# KiCad board ControlsLeader_PCB.kicad_pcb
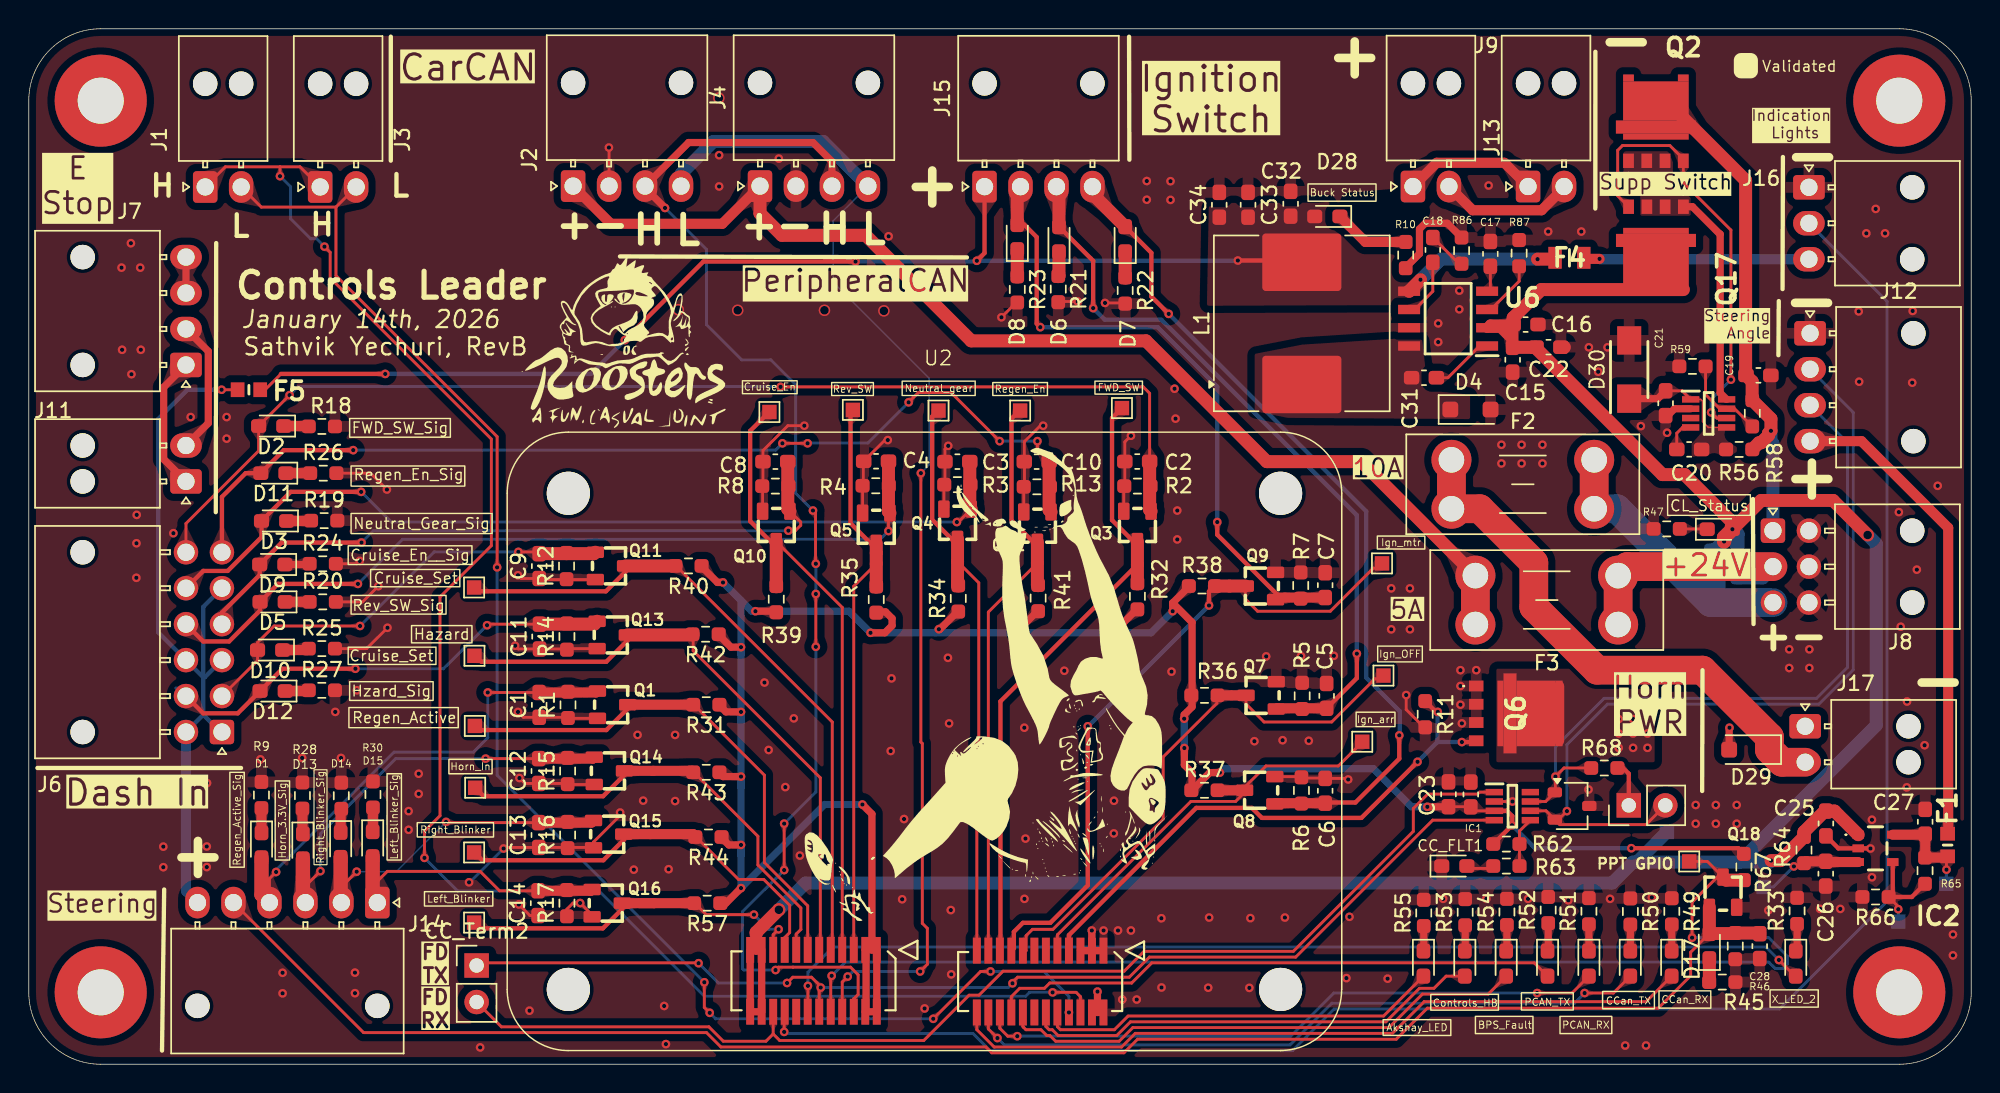
[diagram p0: board, top side]
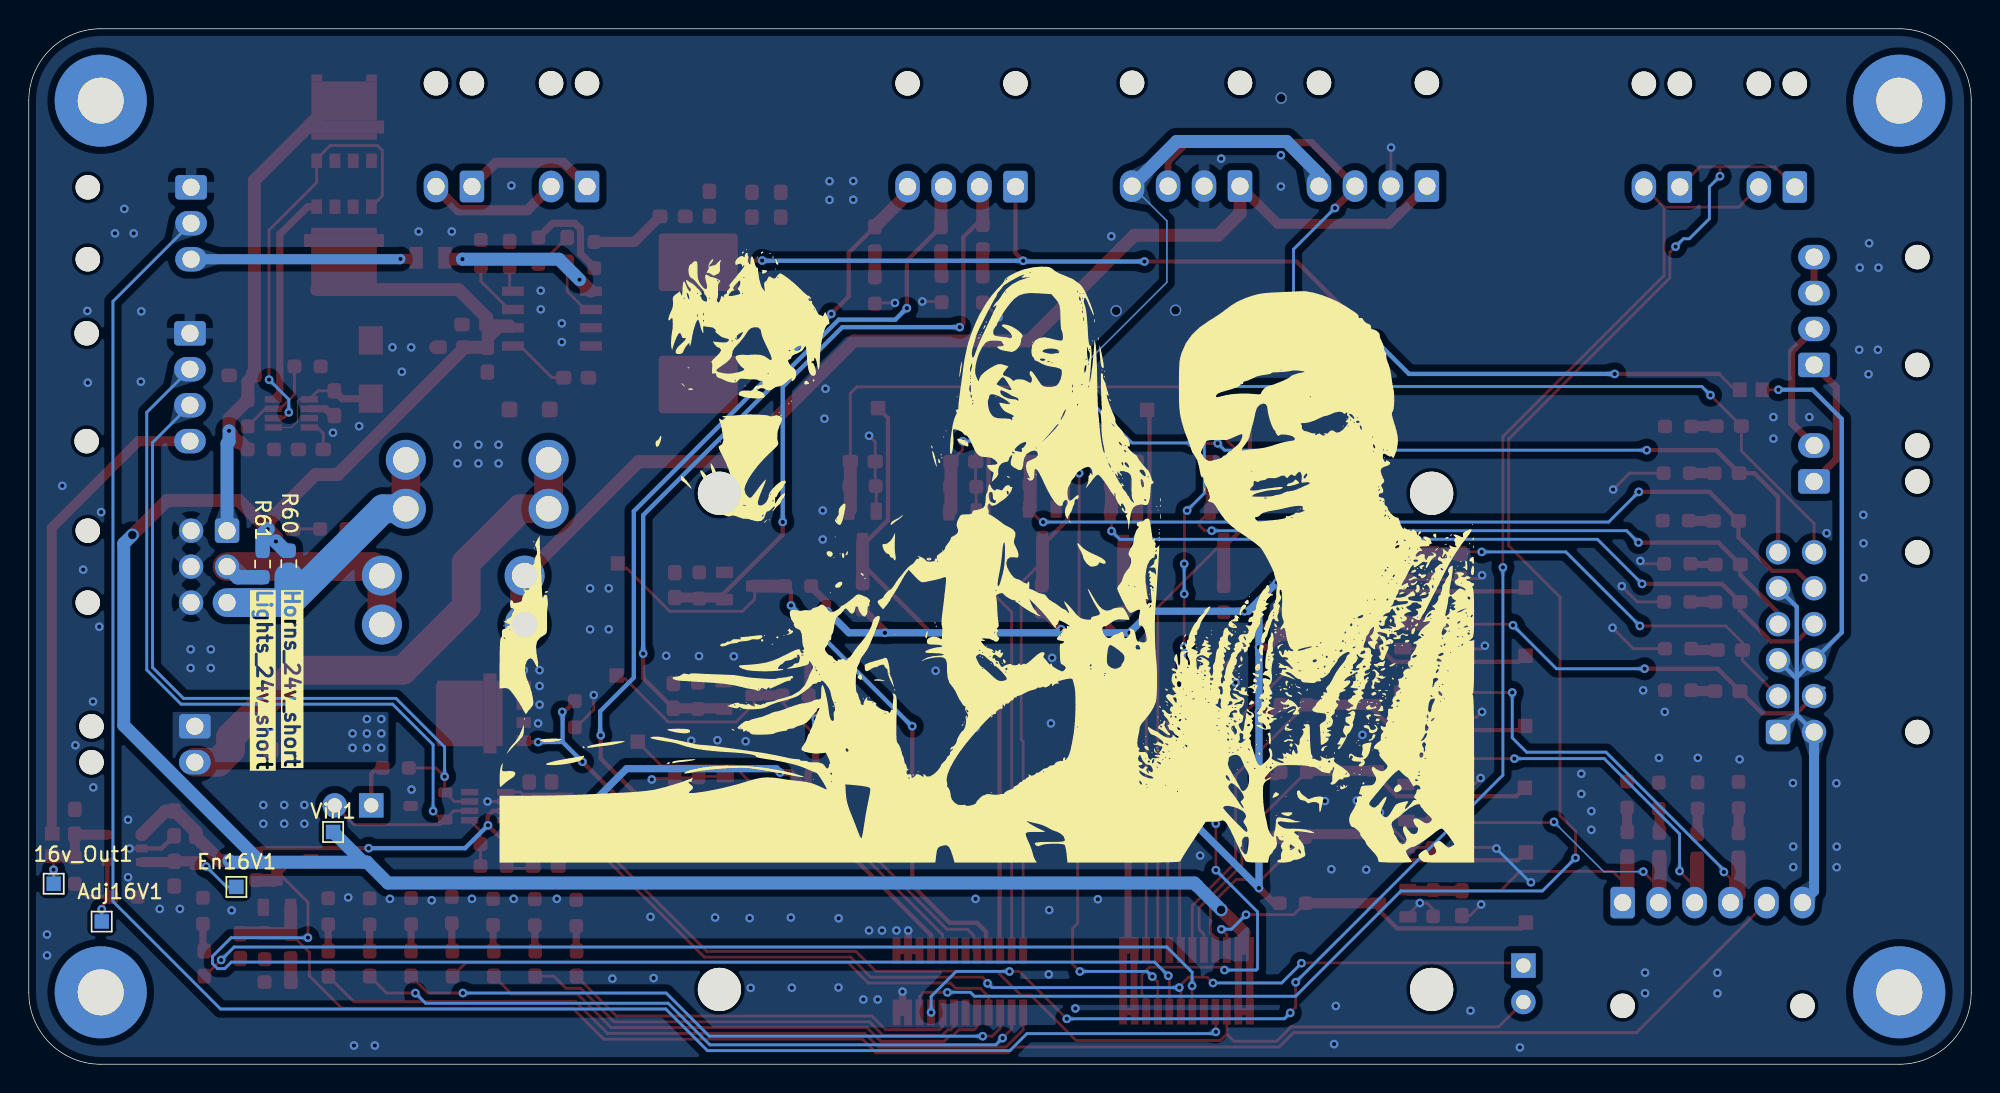
[diagram p1: board, bottom side, seen from below]

Outline 135 x 72 mm; copper layers: Top, Bottom. Coordinates in mm from the lower left corner of the outline.
Outline path: 0,67 0,5 arc(1.46,1.46) 5,0 130,0 arc(133.54,1.46) 135,5 135,67 arc(133.54,70.54) 130,72 5,72 arc(1.46,70.54) 0,67

## Placement (name value [footprint] x y rotation side)
16v_Out1  5V_Out  [TestPoint_Pad_1.0x1.0mm]  133.27 12.55 180 bottom
Adj16V1  Adj5V  [TestPoint_Pad_1.0x1.0mm]  129.93 9.92 180 bottom
C1  2.2uF  [C_0603_1608Metric_Pad1.08x0.95mm_HandSolder]  35.47 24.99 90 top
C2  2.2uF  [C_0603_1608Metric_Pad1.08x0.95mm_HandSolder]  77.04 41.91 0 top
C3  2.2uF  [C_0603_1608Metric_Pad1.08x0.95mm_HandSolder]  64.54 41.9 0 top
C4  2.2uF  [C_0603_1608Metric_Pad1.08x0.95mm_HandSolder]  58.89 41.92 0 top
C5  2.2uF  [C_0603_1608Metric_Pad1.08x0.95mm_HandSolder]  90.2 25.61 270 top
C6  2.2uF  [C_0603_1608Metric_Pad1.08x0.95mm_HandSolder]  90.1 19.01 270 top
C7  2.2uF  [C_0603_1608Metric_Pad1.08x0.95mm_HandSolder]  90.1 33.31 270 top
C8  2.2uF  [C_0603_1608Metric_Pad1.08x0.95mm_HandSolder]  51.89 41.9 0 top
C9  2.2uF  [C_0603_1608Metric_Pad1.08x0.95mm_HandSolder]  35.47 34.64 90 top
C10  2.2uF  [C_0603_1608Metric_Pad1.08x0.95mm_HandSolder]  70.05 41.9 0 top
C11  2.2uF  [C_0603_1608Metric_Pad1.08x0.95mm_HandSolder]  35.5 29.74 90 top
C12  2.2uF  [C_0603_1608Metric_Pad1.08x0.95mm_HandSolder]  35.45 20.39 90 top
C13  2.2uF  [C_0603_1608Metric_Pad1.08x0.95mm_HandSolder]  35.45 15.94 90 top
C14  2.2uF  [C_0603_1608Metric_Pad1.08x0.95mm_HandSolder]  35.4 11.2 90 top
C15  10uF  [C_0603_1608Metric_Pad1.08x0.95mm_HandSolder]  103.13 48.99 270 top
C16  1uF  [C_0603_1608Metric_Pad1.08x0.95mm_HandSolder]  104.03 51.44 0 top
C17  10nF  [C_0603_1608Metric_Pad1.08x0.95mm_HandSolder]  101.58 56.35 90 top
C18  3.3nF  [C_0603_1608Metric_Pad1.08x0.95mm_HandSolder]  97.58 56.62 90 top
C19  .1u  [C_0603_1608Metric_Pad1.08x0.95mm_HandSolder]  120.21 47.9 180 top
C20  220n  [C_0603_1608Metric_Pad1.08x0.95mm_HandSolder]  115.4 42.75 0 top
C21  1u  [C_0603_1608Metric_Pad1.08x0.95mm_HandSolder]  113.76 45.96 90 top
C22  10u  [C_0603_1608Metric_Pad1.08x0.95mm_HandSolder]  105.62 49.86 180 top
C23  0.1uF  [C_0603_1608Metric_Pad1.08x0.95mm_HandSolder]  100.22 18.76 90 top
C24  1uF  [C_0603_1608Metric_Pad1.08x0.95mm_HandSolder]  98.67 18.77 90 top
C25  1uF  [C_0603_1608Metric_Pad1.08x0.95mm_HandSolder]  124.9 16.74 90 top
C26  10uF  [C_0603_1608Metric_Pad1.08x0.95mm_HandSolder]  124.89 13.25 90 top
C27  2.2uF  [C_0603_1608Metric_Pad1.08x0.95mm_HandSolder]  131.8 16.86 90 top
C28  2.2uF  [C_0603_1608Metric_Pad1.08x0.95mm_HandSolder]  120.3 8.21 90 top
C31  0.1uF  [C_0603_1608Metric_Pad1.08x0.95mm_HandSolder]  96.97 47.74 180 top
C32  10uF  [C_0603_1608Metric_Pad1.08x0.95mm_HandSolder]  87.7 59.83 90 top
C33  10uF  [C_0603_1608Metric_Pad1.08x0.95mm_HandSolder]  84.74 59.76 90 top
C34  10uF  [C_0603_1608Metric_Pad1.08x0.95mm_HandSolder]  82.74 59.76 90 top
CC_FLT1  LED  [LED_0603_1608Metric_Pad1.05x0.95mm_HandSolder]  99.07 13.78 0 top
CC_Term1  Jumper_2_Open  [PinHeader_1x02_P2.54mm_Vertical]  111.2 18 90 top
CC_Term2  Jumper_2_Open  [PinHeader_1x02_P2.54mm_Vertical]  31.12 6.86 0 top
D1  GPIO_Status_Blue  [LED_0603_1608Metric_Pad1.05x0.95mm_HandSolder]  16.17 15.22 270 top
D2  GPIO_Status_Blue  [LED_0603_1608Metric_Pad1.05x0.95mm_HandSolder]  16.85 44.38 180 top
D3  GPIO_Status_Blue  [LED_0603_1608Metric_Pad1.05x0.95mm_HandSolder]  17.05 37.78 180 top
D4  MBR230S1F  [D_SOD-123F]  100.19 45.53 0 top
D5  GPIO_Status_Blue  [LED_0603_1608Metric_Pad1.05x0.95mm_HandSolder]  16.95 32.15 180 top
D6  GPIO_Status_Blue  [LED_0603_1608Metric_Pad1.05x0.95mm_HandSolder]  71.6 57.36 90 top
D7  GPIO_Status_Blue  [LED_0603_1608Metric_Pad1.05x0.95mm_HandSolder]  76.2 57.36 90 top
D8  GPIO_Status_Blue  [LED_0603_1608Metric_Pad1.05x0.95mm_HandSolder]  68.7 57.51 90 top
D9  GPIO_Status_Blue  [LED_0603_1608Metric_Pad1.05x0.95mm_HandSolder]  16.92 34.75 180 top
D10  GPIO_Status_Blue  [LED_0603_1608Metric_Pad1.05x0.95mm_HandSolder]  16.78 28.8 180 top
D11  GPIO_Status_Blue  [LED_0603_1608Metric_Pad1.05x0.95mm_HandSolder]  17 41.1 180 top
D12  GPIO_Status_Blue  [LED_0603_1608Metric_Pad1.05x0.95mm_HandSolder]  16.95 25.95 180 top
D13  GPIO_Status_Blue  [LED_0603_1608Metric_Pad1.05x0.95mm_HandSolder]  19.05 15.15 270 top
D14  GPIO_Status_Blue  [LED_0603_1608Metric_Pad1.05x0.95mm_HandSolder]  21.67 15.25 270 top
D15  GPIO_Status_Blue  [LED_0603_1608Metric_Pad1.05x0.95mm_HandSolder]  23.9 15.3 270 top
D16  Controls_Leader_Status_Red  [LED_0603_1608Metric_Pad1.05x0.95mm_HandSolder]  117.53 37.2 0 top
D17  GPIO_Status_Blue  [LED_0603_1608Metric_Pad1.05x0.95mm_HandSolder]  116.8 8.21 90 top
D18  0603_SMD  [LED_0603_1608Metric_Pad1.05x0.95mm_HandSolder]  122.81 7 270 top
D19  0603_SMD  [LED_0603_1608Metric_Pad1.05x0.95mm_HandSolder]  114.18 7 270 top
D20  0603_SMD  [LED_0603_1608Metric_Pad1.05x0.95mm_HandSolder]  111.31 7 270 top
D21  0603_SMD  [LED_0603_1608Metric_Pad1.05x0.95mm_HandSolder]  108.43 7 270 top
D22  0603_SMD  [LED_0603_1608Metric_Pad1.05x0.95mm_HandSolder]  105.56 7 270 top
D23  0603_SMD  [LED_0603_1608Metric_Pad1.05x0.95mm_HandSolder]  99.81 7 270 top
D24  0603_SMD  [LED_0603_1608Metric_Pad1.05x0.95mm_HandSolder]  102.68 7 270 top
D25  0603_SMD  [LED_0603_1608Metric_Pad1.05x0.95mm_HandSolder]  96.93 7 270 top
D28  Controls_Leader_Status_Red  [LED_0603_1608Metric_Pad1.05x0.95mm_HandSolder]  90.25 58.95 180 top
D29  VSSAF522-M3/H  [D_SOD-123F]  119.57 21.88 180 top
D30  SMAF4758A  [SODFL5026X125N]  111.23 48.31 90 top
En16V1  Enable5V  [TestPoint_Pad_1.0x1.0mm]  120.57 12.33 180 bottom
F1  0603L025YR  [FUSC1608X75N]  133.36 15.24 90 top
F2  Fuse  [Fuseholder_Blade_Mini_Keystone_3568]  98.88 42.03 0 top
F3  Fuse  [Fuseholder_Blade_Mini_Keystone_3568]  110.46 30.58 180 top
F4  0805L100WR  [FUSC2114X180N]  107.07 56.08 0 top
F5  0603L025YR  [FUSC1608X75N]  15.3 46.9 180 top
G***  LOGO  [shaq]  66.62 26.47 0 top
G***#2  LOGO  [roosters]  41.3 50.2 0 top
G***#3  LOGO  [goats]  68.41 39.42 0 top
G***#4  -  [LHRs_LOGO]  120.2 2.3 0 top
H1  M.3  [MountingHole_3.2mm_M3_Pad_TopBottom]  5 67 0 top
H2  M.3  [MountingHole_3.2mm_M3_Pad_TopBottom]  130 67 0 top
H3  M.3  [MountingHole_3.2mm_M3_Pad_TopBottom]  130 5 0 top
H4  M.3  [MountingHole_3.2mm_M3_Pad_TopBottom]  5 5 0 top
IC1  -  [TCAN337DCNR]  103.11 17.94 0 top
IC2  AP2205-W5-7  [AP2205W57]  128.34 15.01 90 top
J1  CarCANConnector_Out  [Molex_Nano-Fit_105313-xx02_1x02_P2.50mm_Horizontal]  12.26 61 90 top
J2  PeripheralCAN_out  [Molex_Nano-Fit_105313-xx04_1x04_P2.50mm_Horizontal]  37.83 61.06 90 top
J3  CarCANConnector_In  [Molex_Nano-Fit_105313-xx02_1x02_P2.50mm_Horizontal]  20.25 61 90 top
J4  PeripheralCAN_in  [Molex_Nano-Fit_105313-xx04_1x04_P2.50mm_Horizontal]  50.82 61.06 90 top
J6  Conn_2Rows-13Pins  [Molex_Nano-Fit_105314-xx12_2x06_P2.50mm_Horizontal]  13.42 23.1 180 top
J7  Conn_01x04  [Molex_Nano-Fit_105313-xx04_1x04_P2.50mm_Horizontal]  10.93 48.62 180 top
J8  Dash_Lsom_Horn_Lights_PWR  [Molex_Nano-Fit_105314-xx06_2x03_P2.50mm_Horizontal]  121.22 37.1 0 top
J9  Supp_In  [Molex_Nano-Fit_105313-xx02_1x02_P2.50mm_Horizontal]  96.2 61.03 90 top
J11  EStop1  [Molex_Nano-Fit_105313-xx02_1x02_P2.50mm_Horizontal]  10.93 40.52 180 top
J12  SteeringAngleConn_01x04  [Molex_Nano-Fit_105313-xx04_1x04_P2.50mm_Horizontal]  123.8 50.83 0 top
J13  Supp_Out  [Molex_Nano-Fit_105313-xx02_1x02_P2.50mm_Horizontal]  104.2 61.03 90 top
J14  SteeringConn_01x06  [Molex_Nano-Fit_105313-xx06_1x06_P2.50mm_Horizontal]  24.22 11.24 270 top
J15  IgnConn_01x04  [Molex_Nano-Fit_105313-xx04_1x04_P2.50mm_Horizontal]  66.43 61.02 90 top
J16  Conn_01x03  [Molex_Nano-Fit_105313-xx03_1x03_P2.50mm_Horizontal]  123.72 60.97 0 top
J17  Conn_01x02  [Molex_Nano-Fit_105313-xx02_1x02_P2.50mm_Horizontal]  123.46 23.5 0 top
L1  100uH  [L_Coilcraft_MSS1246-XXX]  88.47 51.52 90 top
Q1  NMOS  [SOT23]  39.53 25.95 270 top
Q2  NVMFWS1D7N04XMT1G  [NVMFWS3D0P04M8LT1G]  113.09 65.57 0 top
Q3  NMOS  [SOT23]  78 38.45 180 top
Q4  NMOS  [SOT23]  65.5 38.6 180 top
Q5  NMOS  [SOT23]  59.85 38.33 180 top
Q6  NVMFWS1D7N04XMT1G  [NVMFWS3D0P04M8LT1G]  103.35 24.39 270 top
Q7  NMOS  [SOT23]  86.7 24.7 90 top
Q8  NMOS  [SOT23]  86.6 18.1 90 top
Q9  NMOS  [SOT23]  86.65 32.3 90 top
Q10  NMOS  [SOT23]  52.9 38.45 180 top
Q11  NMOS  [SOT23]  39.38 35.6 270 top
Q12  NMOS  [SOT23]  71.05 38.4 180 top
Q13  NMOS  [SOT23]  39.5 30.8 270 top
Q14  NMOS  [SOT23]  39.3 21.35 270 top
Q15  NMOS  [SOT23]  39.25 16.95 270 top
Q16  NMOS  [SOT23]  39.15 12.15 270 top
Q17  NVMFWS1D7N04XMT1G  [NVMFWS3D0P04M8LT1G]  113.09 56.88 180 top
Q18  NMOS  [SOT23]  116.8 10.91 0 top
R1  10k  [R_0603_1608Metric_Pad0.98x0.95mm_HandSolder]  37.47 24.99 90 top
R2  10k  [R_0603_1608Metric_Pad0.98x0.95mm_HandSolder]  77.05 40.2 0 top
R3  10k  [R_0603_1608Metric_Pad0.98x0.95mm_HandSolder]  64.54 40.3 0 top
R4  10k  [R_0603_1608Metric_Pad0.98x0.95mm_HandSolder]  58.86 40.22 0 top
R5  10k  [R_0603_1608Metric_Pad0.98x0.95mm_HandSolder]  88.5 25.61 270 top
R6  10k  [R_0603_1608Metric_Pad0.98x0.95mm_HandSolder]  88.45 19.04 270 top
R7  10k  [R_0603_1608Metric_Pad0.98x0.95mm_HandSolder]  88.4 33.29 270 top
R8  10k  [R_0603_1608Metric_Pad0.98x0.95mm_HandSolder]  51.89 40.2 0 top
R9  150  [R_0603_1608Metric_Pad0.98x0.95mm_HandSolder]  16.17 18.72 90 top
R10  1.1k  [R_0603_1608Metric_Pad0.98x0.95mm_HandSolder]  95.69 56.26 270 top
R11  10k  [R_0603_1608Metric_Pad0.98x0.95mm_HandSolder]  97.05 24.34 270 top
R12  10k  [R_0603_1608Metric_Pad0.98x0.95mm_HandSolder]  37.38 34.64 90 top
R13  10k  [R_0603_1608Metric_Pad0.98x0.95mm_HandSolder]  70.06 40.15 0 top
R14  10k  [R_0603_1608Metric_Pad0.98x0.95mm_HandSolder]  37.4 29.74 90 top
R15  10k  [R_0603_1608Metric_Pad0.98x0.95mm_HandSolder]  37.45 20.39 90 top
R16  10k  [R_0603_1608Metric_Pad0.98x0.95mm_HandSolder]  37.45 15.94 90 top
R17  10k  [R_0603_1608Metric_Pad0.98x0.95mm_HandSolder]  37.4 11.2 90 top
R18  150  [R_0603_1608Metric_Pad0.98x0.95mm_HandSolder]  20.37 44.35 0 top
R19  150  [R_0603_1608Metric_Pad0.98x0.95mm_HandSolder]  20.53 37.8 0 top
R20  150  [R_0603_1608Metric_Pad0.98x0.95mm_HandSolder]  20.43 32.15 0 top
R21  150  [R_0603_1608Metric_Pad0.98x0.95mm_HandSolder]  71.55 53.9 270 top
R22  150  [R_0603_1608Metric_Pad0.98x0.95mm_HandSolder]  76.2 53.8 270 top
R23  150  [R_0603_1608Metric_Pad0.98x0.95mm_HandSolder]  68.7 53.88 270 top
R24  150  [R_0603_1608Metric_Pad0.98x0.95mm_HandSolder]  20.43 34.8 0 top
R25  150  [R_0603_1608Metric_Pad0.98x0.95mm_HandSolder]  20.37 28.9 0 top
R26  150  [R_0603_1608Metric_Pad0.98x0.95mm_HandSolder]  20.47 41.1 0 top
R27  150  [R_0603_1608Metric_Pad0.98x0.95mm_HandSolder]  20.37 26 0 top
R28  150  [R_0603_1608Metric_Pad0.98x0.95mm_HandSolder]  19.02 18.68 90 top
R29  150  [R_0603_1608Metric_Pad0.98x0.95mm_HandSolder]  21.72 18.67 90 top
R30  150  [R_0603_1608Metric_Pad0.98x0.95mm_HandSolder]  23.92 18.75 90 top
R31  100k  [R_0603_1608Metric_Pad0.98x0.95mm_HandSolder]  47.09 25 180 top
R32  100k  [R_0603_1608Metric_Pad0.98x0.95mm_HandSolder]  77.05 32.54 90 top
R33  120  [R_0603_1608Metric_Pad0.98x0.95mm_HandSolder]  122.9 10.66 90 top
R34  100k  [R_0603_1608Metric_Pad0.98x0.95mm_HandSolder]  64.6 32.39 90 top
R35  100k  [R_0603_1608Metric_Pad0.98x0.95mm_HandSolder]  58.9 32.31 90 top
R36  100k  [R_0603_1608Metric_Pad0.98x0.95mm_HandSolder]  81.71 25.65 0 top
R37  100k  [R_0603_1608Metric_Pad0.98x0.95mm_HandSolder]  81.71 19.05 0 top
R38  100k  [R_0603_1608Metric_Pad0.98x0.95mm_HandSolder]  81.54 33.25 0 top
R39  100k  [R_0603_1608Metric_Pad0.98x0.95mm_HandSolder]  51.95 32.34 90 top
R40  100k  [R_0603_1608Metric_Pad0.98x0.95mm_HandSolder]  45.85 34.65 180 top
R41  100k  [R_0603_1608Metric_Pad0.98x0.95mm_HandSolder]  70.15 32.41 90 top
R42  100k  [R_0603_1608Metric_Pad0.98x0.95mm_HandSolder]  47.04 29.9 180 top
R43  100k  [R_0603_1608Metric_Pad0.98x0.95mm_HandSolder]  47.09 20.3 180 top
R44  100k  [R_0603_1608Metric_Pad0.98x0.95mm_HandSolder]  47.24 15.8 180 top
R45  10k  [R_0603_1608Metric_Pad0.98x0.95mm_HandSolder]  118.6 8.21 90 top
R46  150  [R_0603_1608Metric_Pad0.98x0.95mm_HandSolder]  117.7 5.71 0 top
R47  1.1k  [R_0603_1608Metric_Pad0.98x0.95mm_HandSolder]  113.84 37.22 180 top
R49  120  [R_0603_1608Metric_Pad0.98x0.95mm_HandSolder]  114.19 10.63 270 top
R50  120  [R_0603_1608Metric_Pad0.98x0.95mm_HandSolder]  111.31 10.62 270 top
R51  120  [R_0603_1608Metric_Pad0.98x0.95mm_HandSolder]  108.43 10.64 90 top
R52  120  [R_0603_1608Metric_Pad0.98x0.95mm_HandSolder]  105.6 10.72 90 top
R53  120  [R_0603_1608Metric_Pad0.98x0.95mm_HandSolder]  99.83 10.57 90 top
R54  120  [R_0603_1608Metric_Pad0.98x0.95mm_HandSolder]  102.73 10.59 90 top
R55  120  [R_0603_1608Metric_Pad0.98x0.95mm_HandSolder]  96.95 10.52 90 top
R56  10k  [R_0603_1608Metric_Pad0.98x0.95mm_HandSolder]  118.87 42.75 180 top
R57  100k  [R_0603_1608Metric_Pad0.98x0.95mm_HandSolder]  47.15 11.2 180 top
R58  200k  [R_0603_1608Metric_Pad0.98x0.95mm_HandSolder]  119.78 45.26 270 top
R59  9k  [R_0603_1608Metric_Pad0.98x0.95mm_HandSolder]  115.62 48.53 180 top
R60  0  [R_0603_1608Metric_Pad0.98x0.95mm_HandSolder]  116.93 34.8 90 bottom
R61  0  [R_0603_1608Metric_Pad0.98x0.95mm_HandSolder]  118.75 34.78 90 bottom
R62  10k  [R_0603_1608Metric_Pad0.98x0.95mm_HandSolder]  102.69 15.31 0 top
R63  2.2k  [R_0603_1608Metric_Pad0.98x0.95mm_HandSolder]  102.69 13.78 180 top
R64  10k  [R_0603_1608Metric_Pad0.98x0.95mm_HandSolder]  123.38 14.89 270 top
R65  115k  [R_0603_1608Metric_Pad0.98x0.95mm_HandSolder]  131.79 13.46 270 top
R66  10k  [R_0603_1608Metric_Pad0.98x0.95mm_HandSolder]  128.35 11.63 180 top
R67  100k  [R_0603_1608Metric_Pad0.98x0.95mm_HandSolder]  119.2 13.71 270 top
R68  120  [R_0603_1608Metric_Pad0.98x0.95mm_HandSolder]  109.5 20.6 180 top
R86  16k  [R_0603_1608Metric_Pad0.98x0.95mm_HandSolder]  99.58 56.57 90 top
R87  ROSC  [R_0603_1608Metric_Pad0.98x0.95mm_HandSolder]  103.58 56.4 90 top  (not fitted)
RPP1  LM74502HDDFR  [SOT65P280X110-8N]  116.75 45.25 0 top
TP1  TestPoint  [TestPoint_Pad_1.0x1.0mm]  31 23.53 90 top
TP2  TestPoint  [TestPoint_Pad_1.0x1.0mm]  75.97 45.62 90 top
TP3  TestPoint  [TestPoint_Pad_1.0x1.0mm]  63.22 45.45 90 top
TP4  TestPoint  [TestPoint_Pad_1.0x1.0mm]  57.28 45.5 90 top
TP5  TestPoint  [TestPoint_Pad_1.0x1.0mm]  94.15 27.03 90 top
TP6  TestPoint  [TestPoint_Pad_1.0x1.0mm]  92.68 22.42 90 top
TP7  TestPoint  [TestPoint_Pad_1.0x1.0mm]  94.05 34.83 90 top
TP8  TestPoint  [TestPoint_Pad_1.0x1.0mm]  51.47 45.35 90 top
TP9  TestPoint  [TestPoint_Pad_1.0x1.0mm]  30.95 33.15 90 top
TP10  TestPoint  [TestPoint_Pad_1.0x1.0mm]  68.9 45.45 90 top
TP11  TestPoint  [TestPoint_Pad_1.0x1.0mm]  30.97 28.4 90 top
TP12  TestPoint  [TestPoint_Pad_1.0x1.0mm]  31.03 19.22 0 top
TP13  TestPoint  [TestPoint_Pad_1.0x1.0mm]  30.95 14.72 0 top
TP14  TestPoint  [TestPoint_Pad_1.0x1.0mm]  115.4 14.1 0 top
TP15  TestPoint  [TestPoint_Pad_1.0x1.0mm]  30.95 9.85 90 top
U1  -  [CDSOT23-T24CAN]  107.26 17.96 0 top
U2  -  [LeaderSOM]  62.41 -0.25 180 top
U6  -  [TPS5405DR]  98.64 51.85 180 top
Vin1  Vin  [TestPoint_Pad_1.0x1.0mm]  113.85 16.15 180 bottom

## Library data of the parts
16v_Out1 En16V1 Vin1 = -: Description: test point; ki_fp_filters: Pin* Test*
Adj16V1 = -: Description: test point; P/N: JLCJLCJLCJLC; ki_fp_filters: Pin* Test*
C1-C14 C28 = -: Description: NMOS cap c13; P/N: C0805C103J5RACTU; LCSC: C57895; ki_fp_filters: C_*
C15 C32-C34 = -: Description: LDO cap c35; P/N: GRM21BR61H106KE43K; LCSC: C440198; ki_fp_filters: C_*
C16 = -: Description: Buck_Cap_C16; P/N: MLASU168SB5105KTNA01; LCSC: C15849; ki_fp_filters: C_*
C17 = -: Description: Buck_Cap_C17; P/N: MSASH168SB5103KTNA01; LCSC: C57112; ki_fp_filters: C_*
C18 = -: Description: Buck_Cap_C18; P/N: 06035C332K4T2A; LCSC: C14663; ki_fp_filters: C_*
C19 = -: Description: Unpolarized capacitor; Manufacturer_Part_Number: 06035C223K4T4A; LCSC: C14663; ki_fp_filters: C_*
C20 = -: Description: Unpolarized capacitor; Manufacturer_Part_Number: 06035C223K4T4A; LCSC: C344195; ki_fp_filters: C_*
C21 = -: Description: Unpolarized capacitor; Manufacturer_Part_Number: 06035C223K4T4A; LCSC: C15849; ki_fp_filters: C_*
C22 = -: Description: Unpolarized capacitor; Manufacturer_Part_Number: 06035C223K4T4A; LCSC: C440198; ki_fp_filters: C_*
C23 = -: Description: Unpolarized capacitor; Mouser Part Number: MLASH168SB7104KTNA01; P/N: C0805C104M5RACTU; LCSC: C14663; ki_fp_filters: C_*
C24 = -: Description: Unpolarized capacitor; Mouser Part Number: MLASU168SB5105KTNA01; P/N: C0805C104M5RACTU; LCSC: C15849; ki_fp_filters: C_*
C25 = -: Description: Pedals 5v LDO C5 cap; P/N: MLASU168SB5105KTNA01; LCSC: C15849; ki_fp_filters: C_*
C26 = -: Description: Pedals 5v LDO C5 cap; P/N: MLASU168SB5105KTNA01; LCSC: C440198; ki_fp_filters: C_*
C27 = -: Description: Pedals 5v LDO C5 cap; P/N: MLASU168SB5105KTNA01; LCSC: C57895; ki_fp_filters: C_*
C31 = -: Description: Buck_Cap_C31; P/N: MLASH168SB7104KTNA01; LCSC: C14663; ki_fp_filters: C_*
CC_FLT1 = -: Description: Light emitting diode; Mouser Part Number: 604-APTD2012LCGCK; P/N: APTD2012LCGCK; Sim.Pins: 1=K 2=A; ki_fp_filters: LED* LED_SMD:* LED_THT:*
CC_Term1 CC_Term2 = -: Description: Jumper, 2-pole, open; ki_fp_filters: Jumper* TestPoint*2Pads* TestPoint*Bridge*
D1-D3 D5-D15 D17 = -: Description: NMOS LEDs; Sim.Pins: 1=K 2=A; Distributor Link: https://www.digikey.com/en/products/detail/ams-osram-usa-inc/LB-Q99G-01-P1R1-35-1-5-R18/21556500; Manufacturer: DigiKey; Manufacturer Prt #: LB Q99G.01-P1R1-35-1-5-R18; P/N: LB Q99G.01-P1R1-35-1-5-R18; LCSC: C7371904; ki_fp_filters: LED* LED_SMD:* LED_THT:*
D4 = -: Datasheet: https://www.onsemi.com/pdf/datasheet/ss26fl-d.pdf; Description: Buck_Diode_D4; P/N: SS24FL; LCSC: C41408002; ki_fp_filters: TO-???* *_Diode_* *SingleDiode* D_*
D16 = -: Description: Controls Lead LED; Sim.Pins: 1=K 2=A; Distributor Link: https://www.digikey.com/en/products/detail/ams-osram-usa-inc/LS-Q976-01-N1Q2-1-20-R18/21556498; Manufacturer: DigiKey; Manufacturer Prt #: LS Q976.01-N1Q2-1-20-R18; P/N: LS Q976.01-N1Q2-1-20-R18; LCSC: C84263; ki_fp_filters: LED* LED_SMD:* LED_THT:*
D18-D25 = -: Description: prgm LED; Sim.Pins: 1=K 2=A; Distributor Link: https://www.digikey.com/en/products/detail/ams-osram-usa-inc/LG-Q976-01-MGNI-35-1/21556493; Manufacturer: Digikey; Manufacturer Prt #: LG Q976.01-MGNI-35-1; P/N: LG Q976.01-MGNI-35-1; LCSC: C28119185; ki_fp_filters: LED* LED_SMD:* LED_THT:*
D28 = -: Description: 5LDO LED; Sim.Pins: 1=K 2=A; Distributor Link: https://www.digikey.com/en/products/detail/ams-osram-usa-inc/LS-Q976-01-N1Q2-1-20-R18/21556498; Manufacturer: DigiKey; Manufacturer Prt #: LS Q976.01-N1Q2-1-20-R18; P/N: LS Q976.01-N1Q2-1-20-R18; LCSC: C84263; ki_fp_filters: LED* LED_SMD:* LED_THT:*
D29 = -: Datasheet: https://www.diodes.com/assets/Datasheets/ds30396.pdf; Description: Horn_Conn_Flyback; Sim.Device: D; Sim.Pins: 1=K 2=A; LCSC: C20039242; ki_fp_filters: D*SOD?523*
D30 = -: Datasheet: https://diotec.com/tl_files/diotec/files/pdf/datasheets/smz1.pdf; Description: 2000mW Zener Diode, MELF; LCSC: C183490; ki_fp_filters: D*MELF*
F1 F5 = -: Datasheet: https://m.littelfuse.com/~/media/electronics/datasheets/resettable_ptcs/littelfuse_ptc_0603l_datasheet.pdf.pdf; Description: Resettable Fuses - PPTC PTC 9V .250A POLY SURF MOUNT; Height: 0.75; Mouser Part Number: 576-0603L025YR; Mouser Price/Stock: https://www.mouser.co.uk/ProductDetail/Littelfuse/0603L025YR?qs=n5MbhIql%252BRmYmNliBUCDFQ%3D%3D; Manufacturer_Name: LITTELFUSE; LCSC: C207012
F2 F3 = -: Description: Fuse_3.3LDO; P/N: 3568; ki_fp_filters: *Fuse*
F4 = -: Datasheet: https://www.arrow.com/en/products/0805l100wr/littelfuse; Description: LITTELFUSE - 0805L100WR - Resettable Fuse, PPTC, 0805 (2012 Metric), POLYFUSE 0805L, 6 VDC, 1 A, 1.95 A, 0.3 s; Height: 1.8; Mouser Part Number: 576-0805L100; Mouser Price/Stock: https://www.mouser.co.uk/ProductDetail/Littelfuse/0805L100WR?qs=SJZ%252BTX%252BI2BTMlREVsW49pQ%3D%3D; Manufacturer_Name: LITTELFUSE
H1-H4 = -: ki_fp_filters: MountingHole*
IC1 = -: Datasheet: http://www.ti.com/lit/ds/symlink/tcan337.pdf; Description: High-Speed CAN Transceiver, 1Mbps, 3.3V supply, silent mode, fault output, SOT-23-8/SOIC-8; Height: 1.45; Mouser Part Number: 595-TCAN337DCNR; Mouser Price/Stock: https://www.mouser.co.uk/ProductDetail/Texas-Instruments/TCAN337DCNR?qs=gMfM3zrbS4r1ZrvbjcW09A%3D%3D; Manufacturer_Name: Texas Instruments; LCSC: C130129; ki_fp_filters: *TSOT?23* *SOIC*3.9x4.9mm*P1.27mm*
IC2 = -: Datasheet: https://www.diodes.com//assets/Datasheets/AP2205.pdf; Description: Linear Voltage Regulator IC Positive Adjustable 1 Output 250mA SOT-25; Height: 1.4; Mouser Part Number: 621-AP2205-W5-7; Mouser Price/Stock: https://www.mouser.co.uk/ProductDetail/Diodes-Incorporated/AP2205-W5-7?qs=EBDBlbfErPxiadLvD5FZyQ%3D%3D; Manufacturer_Name: Diodes Incorporated; LCSC: C3001658
J1 = -: Datasheet: https://www.digikey.com/en/products/detail/molex/1053091102/7693146; Description: Car Can Out; P/N: 1053131102
J2 = -: Datasheet: https://www.mouser.com/ProductDetail/Molex/105309-1204?qs=PqFvFmEiOr6mDAWV2BJKbg%3D%3D&srsltid=AfmBOopk7YsqdMLo2_DAHKaHKt3Hg126ooPXYWv5Q2Pfx6rW7DaYZCT2; Description: PH Can Out; P/N: 1053131104